# Altium PCB Lay-51943_B.brd.PcbDoc (part 5 of 8)
Units mil, origin at the board's own origin, x right, y up, seen from the top; angles counter-clockwise.
Board outline 2903.05 x 2405.84 mil, 6 copper layers (TOP, L2_GND_1, L3_INT_1, L4_PWR, L5_GND_2, BOTTOM), stack 60.244 mil thick; 568 components, 400 nets, 2143 pads, 1138 vias.
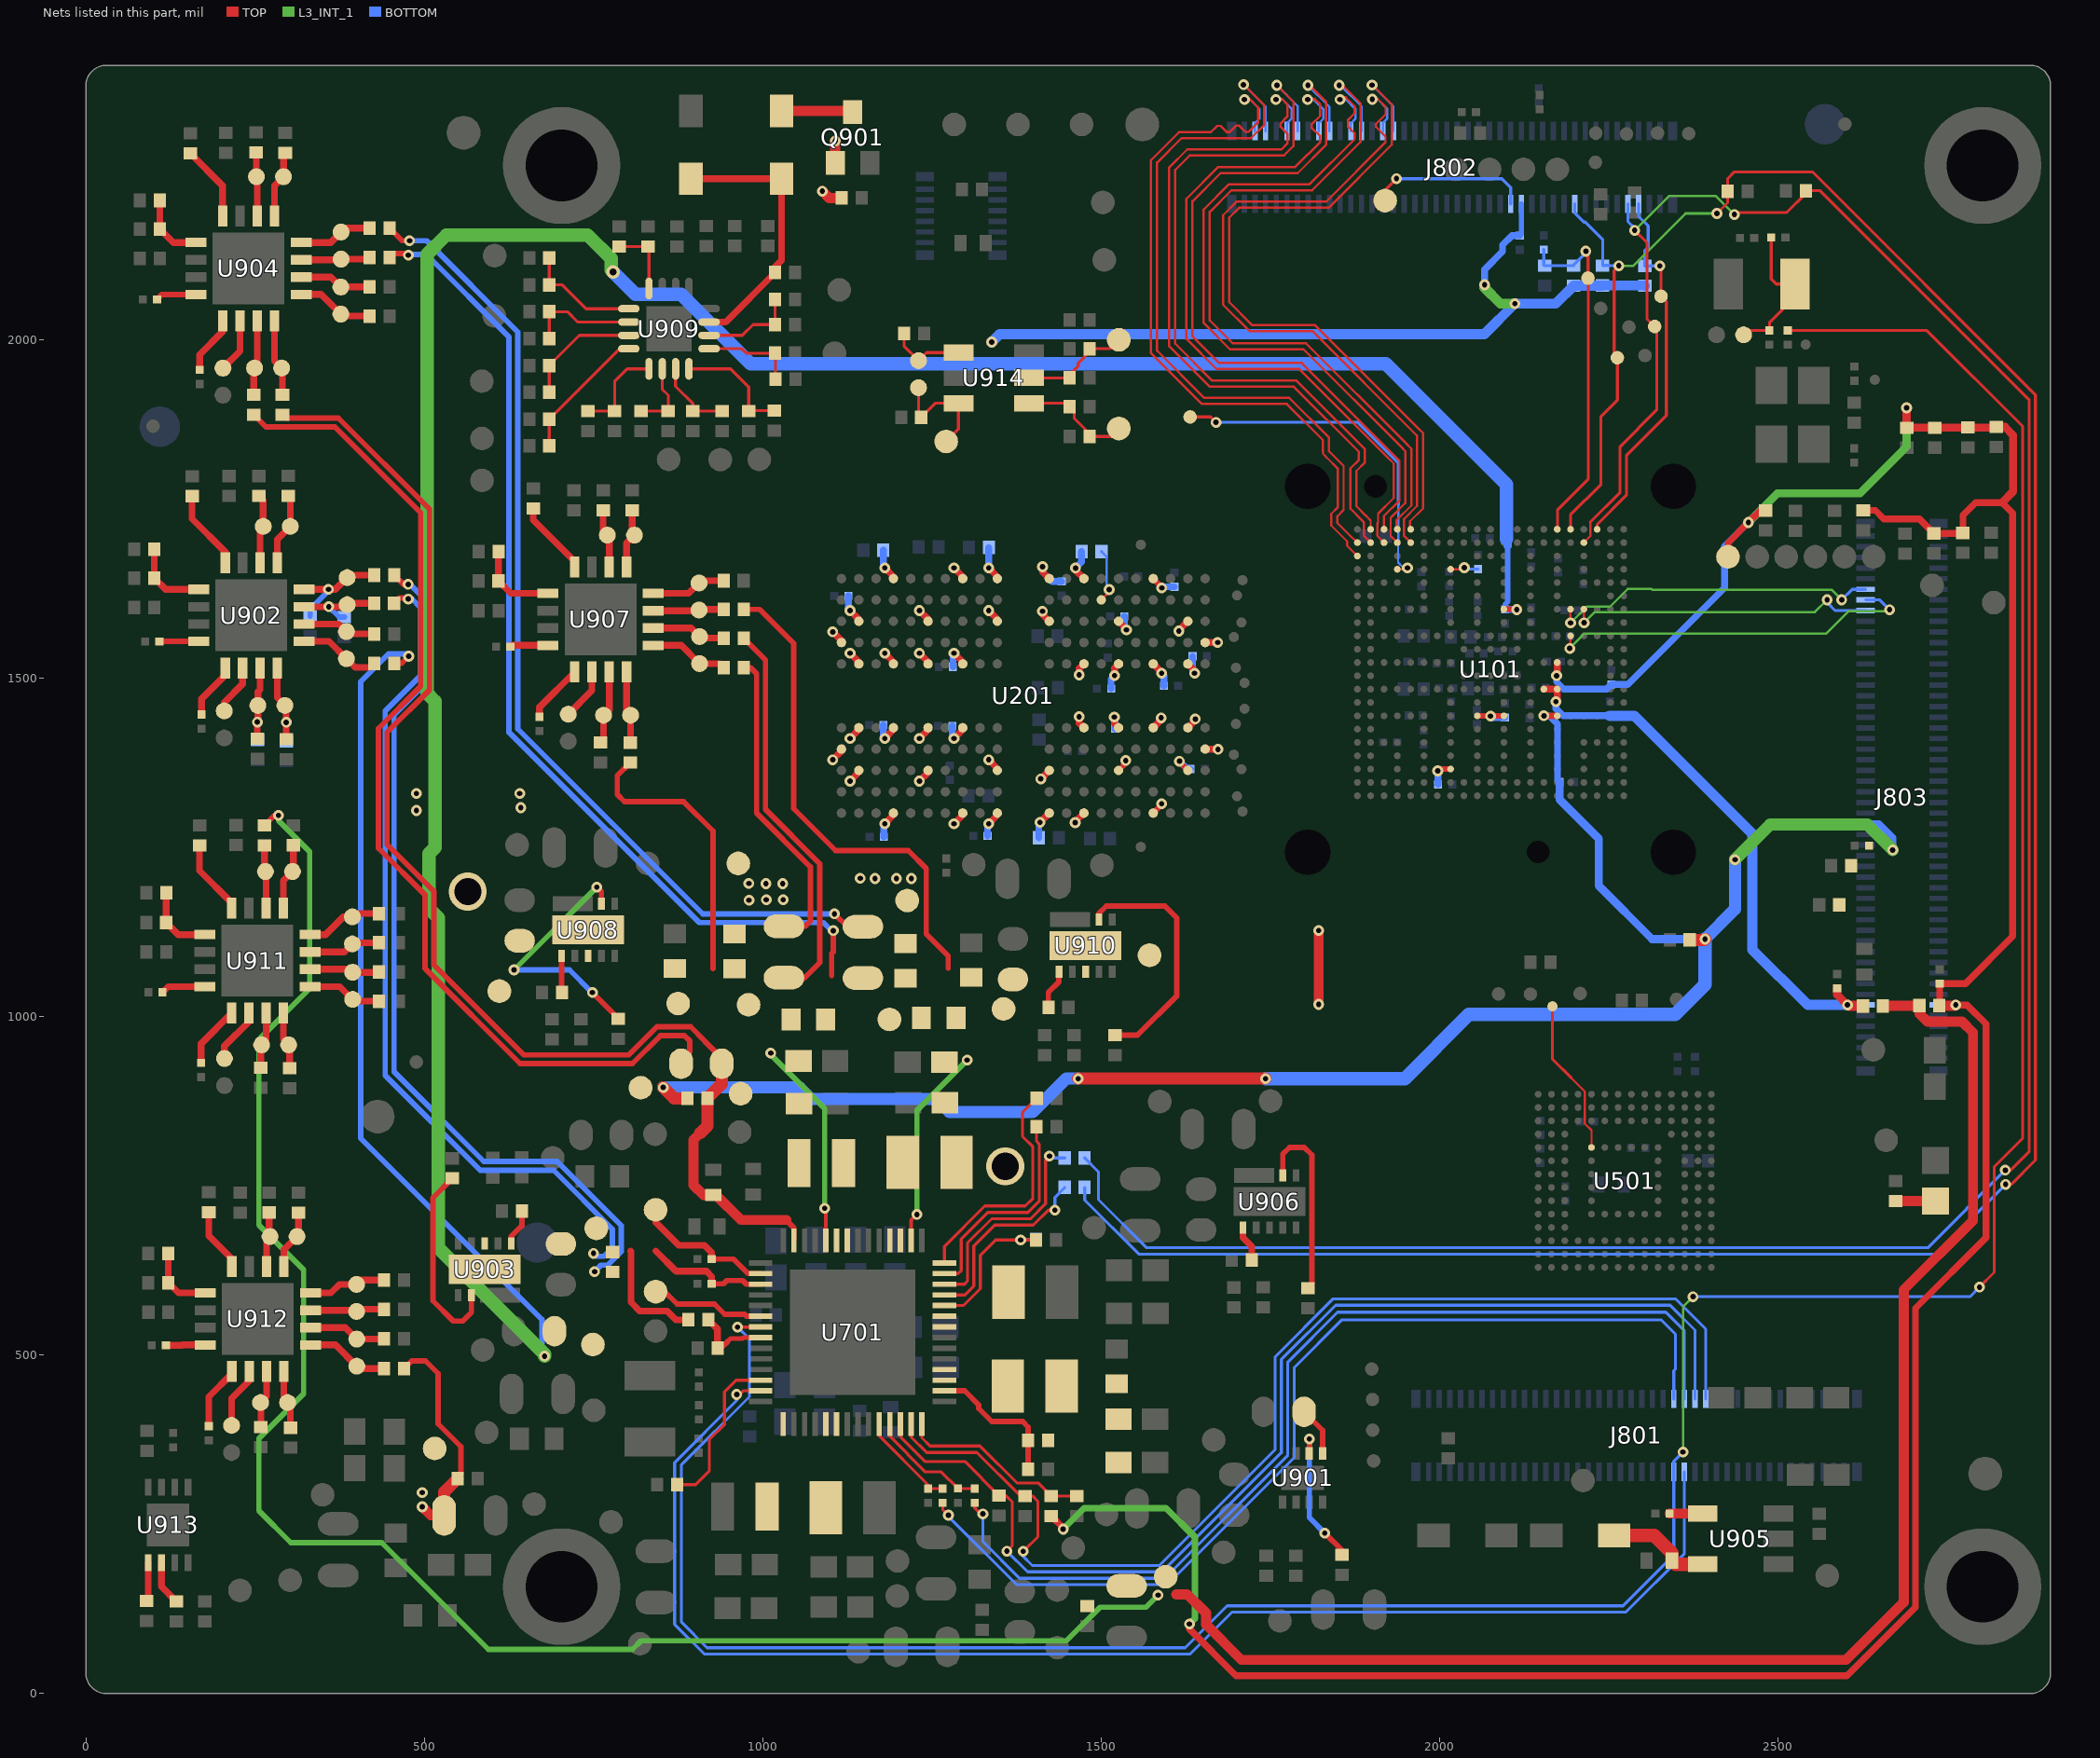
[diagram p9: the nets of this part, all layers, seen from the top]

## Via types
v1: diameter 16, hole 8, TOP to BOTTOM, tented both sides, 1003 vias
v2: diameter 20, hole 10, TOP to BOTTOM, tented both sides, 66 vias
v3: diameter 16, hole 8, TOP to BOTTOM, tented bottom, 63 vias
v4: diameter 56, hole 40, TOP to BOTTOM, 6 vias

## Nets (pads, with @x,y where several pads share a name; then routed paths per layer and width w, separated by ;. In a path a pad name is that pad's centre, name@x,y a point inside that pad or via, vN(x,y) a via of type N, cw(c..) or ccw(c..) an arc to the next point about the centre after c; other vN are vias at no path point) (continued)
LPD4/X_VDD2: C206.1 C207.1 C208.1 C210.1 C211.1 C212.1 C213.1 C214.1 R203.2 R210.1 R1017.2 R1026.1 TP951.1 U201.A4 U201.A9 U201.AB4 U201.AB9 U201.F5 U201.F8 U201.H1 U201.H5 U201.H8 U201.H12 U201.K1 U201.K3 U201.K10 U201.K12 U201.N1 U201.N3 U201.N10 U201.N12 U201.R1 U201.R5 U201.R8 U201.R12 U201.U5 U201.U8 | length 1170.8
  TOP w8: R1026.1@972.27,1515.8 982.37,1515.8 991.16,1507.01 991.16,1301.01 1070.85,1221.32 1070.85,1141.7 1062.85,1133.7 R1017.2@1031.51,1133.7
  TOP w10: v1(1103.63,1379.78) 1116.53,1392.68 U201.AB9@1116.53,1395.54 ; v1(1103.63,1568.78) 1116.53,1555.88 U201.AB4@1116.53,1553.02 ; v1(1231.63,1411.28) 1244.48,1424.13 U201.U8@1244.48,1427.04 ; v1(1231.63,1537.28) 1244.48,1524.43 U201.U5@1244.48,1521.52 ; v1(1282.83,1285.28) 1295.66,1298.11 U201.R12@1295.66,1301.05 ; v1(1282.83,1411.28) 1295.66,1424.11 U201.R8@1295.66,1427.04 ; v1(1282.83,1537.28) 1295.66,1524.45 U201.R5@1295.66,1521.52 ; v1(1282.83,1663.28) 1295.66,1650.45 U201.R1@1295.66,1647.51 ; v1(1334.03,1285.28) 1346.84,1298.09 U201.N12@1346.84,1301.05 ; v1(1334.03,1379.78) 1346.84,1366.97 U201.N10@1346.84,1364.04 ; v1(1334.03,1600.28) 1346.84,1587.47 U201.N3@1346.84,1584.52 ; v1(1334.03,1663.28) 1346.84,1650.47 U201.N1@1346.84,1647.51 ; v1(1409.96,1287.39) U201.K12@1423.62,1301.05 ; v1(1411.09,1351.51) U201.K10@1423.62,1364.04 ; v1(1413.44,1599.38) 1413.44,1594.7 U201.K3@1423.62,1584.52 ; v1(1413.66,1665.06) 1413.66,1657.47 U201.K1@1423.62,1647.51 ; v1(1461.93,1286.93) 1461.93,1288.18 U201.H12@1474.8,1301.05 ; v1(1462.35,1663.11) 1462.35,1659.96 U201.H1@1474.8,1647.51 ; v1(1467.77,1443.38) 1467.77,1434.07 U201.H8@1474.8,1427.04 ; v1(1467.77,1505.18) 1467.77,1514.49 U201.H5@1474.8,1521.52 ; v1(1519.63,1442.82) 1520.02,1442.43 1520.02,1433 U201.F8@1525.98,1427.04 ; v1(1520.02,1504.18) 1520.02,1515.56 U201.F5@1525.98,1521.52 ; U201.A9@1653.93,1395.54 1672.56,1395.54 v1(1672.93,1395.17) ; U201.A4@1653.93,1553.02 v1(1672.49,1553.02)
  BOTTOM w10: C213.1@1280.39,1429.76 1280.39,1413.72 v1(1282.83,1411.28) ; C210.1@1281.27,1516.94 1281.27,1535.72 v1(1282.83,1537.28) ; C212.1@1332.27,1267.24 1332.27,1283.52 v1(1334.03,1285.28) ; v1(1334.03,1663.28) 1334.26,1663.51 C207.1@1334.26,1693.39 ; C206.1@1408.29,1264.33 1408.29,1285.72 v1(1409.96,1287.39) ; v1(1413.66,1665.06) 1413.66,1657.47 1427.92,1643.21 C211.1@1442.01,1643.21 ; v1(1462.35,1663.11) 1471.24,1672 R210.1@1471.24,1687.46 ; C214.1@1515.03,1484.94 1515.03,1499.19 v1(1520.02,1504.18) ; v1(1519.63,1442.82) 1520.9,1441.55 C208.1@1520.9,1425.87
  other v1: 979.96,1172.22 1005.46,1172.87 1030.46,1172.87 1004.81,1196.75 1029.81,1196.75 979.64,1197.07
LPD4/X_VDD2_1V1: C722.1 C723.1 L706.2 R109.2 R203.1 R702.1 R942.1 R949.1 R1017.1 R1022.1 TP708.1 TP928.1 TP950.1 U701.52 U908.3 U908.11 | length 1320.8
  TOP w5: v1(1091.82,717.12) 1091.82,715.83 1093.49,714.16 U701.52@1093.49,669.78
  TOP w8: R949.1@804.36,1375.5 785.34,1356.48 785.34,1328.47 795.86,1317.95 883.19,1317.95 926.73,1274.41 926.73,1071.16 ; R1022.1@971.99,1559.6 1004.16,1527.43 1004.16,1306.4 1084.52,1226.04 1084.52,1080.1 1062.12,1057.7 R1017.1@1031.51,1057.7
  L3_INT_1 w8: v1(1011.95,946.44) 1011.95,944.38 1091.82,864.51 v1(1091.82,717.12)
  other v4: 564.21,1185.09
LPD4/X_VDDQ: C215.1 C216.1 C217.1 C218.1 C219.1 C220.1 C221.1 C222.1 R206.2 R209.1 R923.1 R1007.2 TP949.1 U201.AA3 U201.AA5 U201.AA8 U201.AA10 U201.B3 U201.B5 U201.B8 U201.B10 U201.D1 U201.D5 U201.D8 U201.D12 U201.F3 U201.F10 U201.U3 U201.U10 U201.W1 U201.W5 U201.W8 U201.W12 | length 2067.7
  TOP w8: R923.1@448.76,2165.2 467.27,2146.69 v1(478.33,2146.69) ; v1(1106.21,1152.11) 1125.02,1133.3 R1007.2@1148.36,1133.3 ; U201.F10@1525.98,1364.04 1536.58,1374.64 v1(1536.58,1378.72) ; U201.D12@1577.16,1301.05 1589.59,1313.48 v1(1589.59,1314.77) ; U201.D1@1577.16,1647.51 1588.95,1635.72 1588.95,1634.45 v1(1589.8,1633.6) ; v1(1616,1377.67) 1616,1376.38 U201.B10@1628.34,1364.04
  TOP w10: v1(1129.23,1348.28) 1142.12,1361.17 U201.AA10@1142.12,1364.04 ; v1(1129.23,1411.28) 1142.12,1424.17 U201.AA8@1142.12,1427.04 ; v1(1129.23,1537.28) 1142.12,1524.39 U201.AA5@1142.12,1521.52 ; v1(1129.23,1600.28) 1142.12,1587.39 U201.AA3@1142.12,1584.52 ; v1(1180.43,1285.28) 1193.3,1298.15 U201.W12@1193.3,1301.05 ; v1(1180.43,1411.28) 1193.3,1424.15 U201.W8@1193.3,1427.04 ; v1(1180.43,1537.28) 1193.3,1524.41 U201.W5@1193.3,1521.52 ; v1(1180.43,1663.28) 1193.3,1650.41 U201.W1@1193.3,1647.51 ; v1(1231.63,1348.28) 1244.48,1361.13 U201.U10@1244.48,1364.04 ; v1(1231.63,1600.28) 1244.48,1587.43 U201.U3@1244.48,1584.52 ; U201.F3@1525.98,1584.52 1537.62,1572.88 v1(1537.62,1571.62) ; U201.D8@1577.16,1427.04 1588.94,1438.82 v1(1588.94,1441.7) ; U201.D5@1577.16,1521.52 1589.66,1509.02 v1(1589.66,1507.74) ; v1(1615.07,1570.05) 1615.07,1571.25 U201.B3@1628.34,1584.52 ; U201.B8@1628.34,1427.04 1639.44,1438.14 v1(1639.44,1439.92) ; U201.B5@1628.34,1521.52 1638.31,1511.55 v1(1638.31,1507.75)
  BOTTOM w8: v1(478.33,2146.69) 503.44,2146.69 638.31,2011.82 638.31,1425.51 911.71,1152.11 v1(1106.21,1152.11)
  BOTTOM w10: C219.1@1126.83,1621.92 1126.83,1602.68 v1(1129.23,1600.28) ; C215.1@1178.33,1689.42 1178.33,1665.38 v1(1180.43,1663.28) ; C220.1@1178.6,1431.2 1178.6,1413.11 v1(1180.43,1411.28) ; C222.1@1179.22,1265.81 1179.22,1284.07 v1(1180.43,1285.28) ; C221.1@1534.49,1591.72 1534.49,1574.75 v1(1537.62,1571.62) ; v1(1589.66,1507.74) 1593.11,1504.29 C217.1@1593.11,1488.87 ; v1(1589.8,1633.6) 1591.74,1635.54 C216.1@1608.49,1635.54 ; v1(1616,1377.67) 1627.55,1366.12 C218.1@1632.44,1366.12 ; R209.1@1635.4,1532.71 1635.4,1510.66 v1(1638.31,1507.75)
  other v1: 1144.24,1204.7 1166.15,1204.37 1197.7,1204.37 1219.79,1204.37
LPD4/X_VDDQ_0V6: R110.2 R206.1 R702.2 R704.2 R921.1 R941.1 R973.1 R1007.1 TP702.1 TP931.1 TP948.1 U910.3 U910.11 | length 2214.7
  TOP w8: R921.1@448.76,2122.2 454.29,2127.73 474.1,2127.73 v1(476.47,2125.36) ; R941.1@972,1602.07 995.78,1602.07 1046,1551.85 1046,1307.45 1107.94,1245.51 1215.27,1245.51 1241.81,1218.97 1241.81,1122.5 1274.26,1090.05 1274.26,1071.69 ; 1102,1061.27 1102,1093.34 1104.37,1095.71 v1(1104.37,1127.28)
  BOTTOM w8: v1(476.47,2125.36) 477.4,2126.29 503.32,2126.29 625.31,2004.3 625.31,1420.12 906.32,1139.11 1089.91,1139.11 1101.74,1127.28 v1(1104.37,1127.28)
LPD4X_VDDQ_0V6: C703.1 C705.1 L701.2 R704.1 U701.44 | length 300.6
  TOP w5: U701.44@1219.47,669.78 1219.47,699.41 v1(1228.04,707.98)
  L3_INT_1 w8: v1(1228.04,707.98) 1228.04,861.79 v1(1302.28,936.03)
  other v4: 1358.53,779.03
LVDS_CLK_N: J802.18 U101.A3 | length 1105.8
  TOP w3.2: 1918.24,1731.24 1918.24,1739.91 1941.28,1762.95 1941.28,1821.34 1930.75,1831.87
  TOP w3.4: v3(1805.77,2376.39) 1808.25,2376.39 1832.89,2351.75 1832.89,2288.88 1790.65,2246.64 1676.84,2246.64 1635.26,2205.06 1635.26,2005.38 1674.6,1966.04 1796.58,1966.04 1930.75,1831.87 ; U101.A3@1918.24,1720.33 1918.24,1731.24
  BOTTOM w3.4: v3(1805.77,2376.39) 1837.74,2344.42 J802.18@1837.74,2308.9
LVDS_CLK_P: J802.16 U101.B3 | length 1105.6
  TOP w3.2: U101.B3@1918.24,1700.65 1908.49,1710.4 1908.49,1729.63 1909.44,1730.58 1909.44,1743.56 1932.48,1766.6 1932.48,1817.69 1927.21,1822.95 1927.06,1822.96 1925.02,1825 1924.89,1825 1924.38,1825.51
  TOP w3.4: v3(1805.42,2355.39) 1810.75,2355.39 1811.22,2355.86 1816.04,2355.86 1823.89,2348.01 1823.89,2331.25 1811.27,2318.63 1811.27,2313.82 1823.89,2301.2 1823.89,2292.61 1786.92,2255.64 1673.11,2255.64 1626.26,2208.79 1626.26,2001.65 1670.87,1957.04 1792.85,1957.04 1924.38,1825.51
  BOTTOM w3.4: v3(1805.42,2355.39) 1806.56,2356.53 1812.9,2356.53 1828.74,2340.69 1828.74,2327.11 1821.99,2320.36 J802.16@1821.99,2308.9
LVDS_TX0_N: J802.30 U101.A5 | length 1108.1
  TOP w3.2: U101.A5@1957.61,1720.33 1956.66,1721.28 1956.66,1732.04 1975.84,1751.22 1975.84,1862.5 1969.59,1868.75
  TOP w3.4: v3(1900.56,2376.78) 1900.94,2376.4 1901.59,2376.4 1929.49,2348.5 1929.49,2288.57 1836.41,2195.49 1704.08,2195.49 1689.45,2180.86 1689.45,2055.99 1723.13,2022.31 1816.03,2022.31 1969.59,1868.75
  BOTTOM w3.4: v3(1900.56,2376.78) 1932.23,2345.11 J802.30@1932.23,2308.9
LVDS_TX0_P: J802.28 U101.B5 | length 1105.5
  TOP w3.2: U101.B5@1957.61,1700.65 1947.86,1710.4 1947.86,1735.69 1966.94,1754.77 1966.94,1858.67
  TOP w3.4: v3(1900.77,2355.78) 1901.15,2355.4 1909.86,2355.4 1920.49,2344.77 1920.49,2333.37 1906.67,2319.55 1906.67,2314.73 1920.49,2300.91 1920.49,2292.3 1832.68,2204.49 1700.35,2204.49 1680.45,2184.59 1680.45,2052.26 1719.4,2013.31 1812.3,2013.31 1966.94,1858.67
  BOTTOM w3.4: v3(1900.77,2355.78) 1901.15,2355.4 1909.21,2355.4 1923.23,2341.38 1923.23,2327.28 1916.48,2320.53 J802.28@1916.48,2308.9
LVDS_TX1_N: J802.24 U101.A4 | length 1112.6
  TOP w3.2: U101.A4@1937.92,1720.33 1936.81,1721.44 1936.81,1733.7 1958.64,1755.53 1958.64,1839.31 1955.36,1842.59 1955.35,1842.75 1953.31,1844.8 1953.31,1844.92 1952.8,1845.43
  TOP w3.4: v3(1852.02,2376.37) 1856.74,2376.37 1883.66,2349.45 1883.66,2292.96 1811.87,2221.17 1692.8,2221.17 1660.76,2189.13 1660.76,2028.98 1694.44,1995.3 1802.93,1995.3 1952.8,1845.43
  BOTTOM w3.4: v3(1852.02,2376.37) 1853.79,2376.37 1884.98,2345.18 J802.24@1884.98,2308.9
LVDS_TX1_P: J802.22 U101.B4 | length 1107.4
  TOP w3.2: U101.B4@1937.92,1700.65 1928.01,1710.56 1928.01,1737.35 1949.84,1759.18 1949.84,1835.66 1946.44,1839.06
  TOP w3.4: v3(1853.18,2355.4) 1856.67,2358.89 1861.49,2358.89 1874.66,2345.72 1874.66,2334.99 1865.26,2325.59 1865.26,2315.02 1874.66,2305.62 1874.66,2296.69 1808.14,2230.17 1689.07,2230.17 1651.76,2192.86 1651.76,2025.25 1690.71,1986.3 1799.2,1986.3 1946.44,1839.06
  BOTTOM w3.4: v3(1853.18,2355.4) 1862.03,2355.4 1875.98,2341.45 1875.98,2326.86 1869.23,2320.11 J802.22@1869.23,2308.9
LVDS_TX2_N: J802.12 U101.A2 | length 1103.2
  TOP w3.2: 1891.78,1740.26 1892.29,1739.75 1892.29,1739.62 1898.55,1733.36 U101.A2@1898.55,1720.33
  TOP w3.4: v3(1759.91,2376.36) 1784.44,2351.83 1784.44,2286.82 1770.41,2272.79 1631.14,2272.79 1609.75,2251.4 1609.75,1994.58 1664.43,1939.9 1788.71,1939.9 1890.14,1838.47 1890.14,1819.18 1877.47,1806.51 1877.47,1754.57 1891.78,1740.26
  BOTTOM w3.4: v3(1759.91,2376.36) 1790.49,2345.78 J802.12@1790.49,2308.9
LVDS_TX2_P: J802.10 U101.B2 | length 1100.6
  TOP w3.2: 1885.42,1733.89 1888.68,1730.63 1888.68,1710.52 U101.B2@1898.55,1700.65
  TOP w3.4: v3(1758.59,2355.4) 1768.14,2355.4 1775.44,2348.1 1775.44,2330.05 1765.34,2319.95 1765.34,2315.1 1775.44,2305 1775.44,2290.55 1766.68,2281.79 1627.41,2281.79 1600.75,2255.13 1600.75,1990.85 1660.7,1930.9 1784.98,1930.9 1881.14,1834.74 1881.14,1822.91 1868.47,1810.24 1868.47,1750.84 1885.42,1733.89
  BOTTOM w3.4: v3(1758.59,2355.4) 1768.13,2355.4 1781.49,2342.04 1781.49,2326.86 1774.75,2320.12 J802.10@1774.75,2308.9
LVDS_TX3_N: J802.6 U101.B1 | length 1101.3
  TOP w3.2: 1837.03,1835.57 1858.57,1814.03 1858.57,1748.91 1849.22,1739.56 1849.22,1729.74 1872.63,1706.33 1873.19,1706.33 U101.B1@1878.87,1700.65
  TOP w3.4: v3(1710.58,2377.3) 1712.88,2375 1713.25,2375 1740.85,2347.4 1740.85,2317.36 1721.74,2298.25 1619.01,2298.25 1582.98,2262.22 1582.98,1984.2 1652.78,1914.4 1778.32,1914.4 1837.03,1855.69 1837.03,1835.57
  BOTTOM w3.4: v3(1710.58,2377.3) 1710.94,2377.3 1743.25,2344.99 J802.6@1743.25,2308.9
LVDS_TX3_P: J802.4 U101.C1 | length 1099.1
  TOP w3.2: 1828.03,1835.57 1828.03,1834.87 1828.13,1834.77 1828.13,1831.88 1831.31,1828.7 ; 1831.3,1828.7 1833.34,1826.66 1833.5,1826.65 1849.77,1810.38 1849.77,1752.56 1840.42,1743.21 1840.42,1726.09 1863.83,1702.68 1863.83,1696 U101.C1@1878.87,1680.96
  TOP w3.4: v3(1712.05,2355.4) 1719.62,2355.4 1719.87,2355.65 1731.85,2343.67 1731.85,2321.09 1718.3,2307.54 1713.49,2307.54 1704.33,2316.7 1699.51,2316.7 1690.29,2307.48 1685.47,2307.48 1676.46,2316.49 1671.64,2316.49 1662.4,2307.25 1615.28,2307.25 1573.98,2265.95 1573.98,1980.47 1649.05,1905.4 1774.59,1905.4 1828.03,1851.96 1828.03,1835.57
  BOTTOM w3.4: v3(1712.05,2355.4) 1720.11,2355.4 1734.25,2341.26 1734.25,2327.21 1727.5,2320.46 J802.4@1727.5,2308.9
M1_SCL: R906.1 U902.4 | length 58.3
  TOP w8: R906.1@108.56,1554.36 108.97,1554.77 U902.4@166.67,1554.77
M1_SDA: R910.1 U902.5 | length 83.2
  TOP w10: R910.1@170.83,1446.81 170.83,1469.86 206.04,1505.07 U902.5@206.04,1515.4
M2_SCL: R926.1 U904.4 | length 60.7
  TOP w8: R926.1@105.1,2060.01 112.47,2067.38 U904.4@162.71,2067.38
M2_SDA: R928.1 U904.5 | length 86.1
  TOP w10: R928.1@168.04,1956.03 168.04,1978.45 202.07,2012.48 U904.5@202.08,2028.01
M3_SCL: R946.1 U907.4 | length 56.5
  TOP w10: R946.1@627.11,1546.87 629.08,1548.84 U907.4@682.81,1548.84
M3_SDA: R948.1 U907.5 | length 87.7
  TOP w10: R948.1@670.2,1443.28 670.2,1457.49 U907.5@722.18,1509.47
M4_SCL: R988.1 U911.4 | length 66
  TOP w10: R988.1@113.26,1036.34 121.59,1044.67 U911.4@175.79,1044.67
M4_SDA: R990.1 U911.5 | length 91.9
  TOP w10: R990.1@170.1,932.08 170.1,960.25 U911.5@215.16,1005.3
M5_SCL: R1019.1 U912.4 | length 58.4
  TOP w10: R1019.1@118.27,514.48 142.5,514.48 143.17,515.15 U912.4@176.45,515.15
M5_SDA: R1021.1 U912.5 | length 94.9
  TOP w10: R1021.1@181.64,395.06 181.64,438.37 215.81,472.54 U912.5@215.82,475.78
MX_POR_B: C405.1 R404.2 R406.2 TP408.1 U101.A16 | length 527.6
  TOP w4.4: U101.A16@2174.15,1720.33 2174.8,1720.98 2174.8,1749.19 2219.98,1794.37 2219.98,2091.02 TP408.1@2219.62,2091.38 2219.62,2128.13 v3(2216.52,2131.23)
  BOTTOM w4.4: R406.2@2154.44,2133.58 2154.44,2110.65 C405.1@2155.37,2109.72 2198.43,2109.72 R404.2@2198.54,2109.83 2198.54,2111.02 2216.52,2129 v3(2216.52,2131.23)
NetC401_1: C401.1 QZ401.2 R412.2 R413.1 | length 224.5
  TOP w4.4: R413.1@2449.64,2007.75 2456.07,2014.18 R412.2@2487.8,2014.18 2487.8,2025.7 2525.54,2063.44 QZ401.2@2525.54,2082.69 2497.83,2082.69 2490.43,2090.09 C401.1@2490.43,2151.47
NetC710_1: C710.1 C711.1 L703.2 R709.2 R716.1
NetC728_1: C728.1 TP710.1 U701.2 | length 210.5
  TOP w8: C728.1@924.61,642.04 957.06,642.04 978.54,620.56 U701.2@997.03,620.56
  TOP w10: TP710.1@841.99,714.86 841.99,696.47 876.25,662.21 914.13,662.21 924.61,651.73 C728.1@924.61,642.04
NetC902_1: C902.1 R902.2 R1044.2 U902.11 | length 135.2
  TOP w10: U902.11@322.19,1605.96 v1(358.98,1605.96) 383.11,1605.96 C902.1@386.05,1608.9 388.13,1610.98 R902.2@425.85,1610.98
  BOTTOM w8: v1(358.98,1605.96) 374.42,1590.52 R1044.2@382,1590.52
NetC902_2: C902.2 R903.2 R1045.2 U902.12 | length 163.3
  TOP w10: U902.12@322.19,1631.55 v1(358.49,1631.55) 368.7,1631.55 C902.2@386.05,1648.9 389.77,1652.62 R903.2@426.21,1652.62
  BOTTOM w8: R1045.2@331.33,1592.21 331.33,1602.38 358.49,1629.54 v1(358.49,1631.55)
NetC905_1: C905.1 R905.2 U912.13 | length 88.4
  TOP w10: U912.13@292.6,631.3 292.59,655.81 C905.1@312.09,675.31 314.31,677.53 R905.2@314.31,710.68
NetC905_2: C905.2 R909.2 U912.14 | length 82.3
  TOP w10: U912.14@267.01,631.3 267,670.22 C905.2@272.09,675.31 270.71,676.69 R909.2@270.71,710.88
NetC907_1: C907.1 R911.2 R1042.2 U902.8 | length 138.8
  TOP w10: U902.8@282.82,1515.4 282.82,1471.36 C907.1@294.15,1460.03 296.09,1458.09 v1(296.09,1435.15) R911.2@296.09,1410.17
  BOTTOM w8: R1042.2@296.1,1407.13 v1(296.09,1435.15)
NetC907_2: C907.2 R916.2 R1043.2 U902.7 | length 133.4
  TOP w10: R916.2@253.35,1410.63 v1(253.35,1435.54) 254.15,1436.34 C907.2@254.15,1460.03 254.15,1480.08 257.23,1483.16 U902.7@257.23,1515.4
  BOTTOM w8: v1(253.35,1435.54) 253.62,1435.27 R1043.2@253.62,1408.6
NetC908_1: C908.1 R917.2 U902.10 | length 110.1
  TOP w10: U902.10@322.19,1580.36 373.81,1580.36 C908.1@385.04,1569.13 388.45,1565.72 R917.2@426.21,1565.72
NetC908_2: C908.2 R918.2 U902.9 | length 122.6
  TOP w10: U902.9@322.19,1554.77 359.4,1554.77 C908.2@385.04,1529.13 398,1516.17 420.06,1516.17 R918.2@426.21,1522.32
NetC910_1: C910.1 R921.2 U904.11 | length 102.5
  TOP w10: U904.11@318.23,2118.57 376.08,2118.57 C910.1@377.03,2119.52 416.56,2119.52 R921.2@419.24,2122.2
NetC910_2: C910.2 R923.2 U904.12 | length 109.7
  TOP w10: U904.12@318.23,2144.16 361.67,2144.16 C910.2@377.03,2159.52 382.71,2165.2 R923.2@419.24,2165.2
NetC914_1: C914.1 D901.A U905.5 | length 154.8
  TOP w20: D901.A@2258.29,233.69 2317.45,233.69 2343.68,207.46 C914.1@2343.68,196.57 2349.01,191.24 U905.5@2389.16,191.24
NetC917_1: C917.1 R924.2 U904.13 | length 99.5
  TOP w10: U904.13@278.86,2183.53 278.85,2228.18 C917.1@292.01,2241.34 292.01,2273.96 R924.2@294.56,2276.51
NetC917_2: C917.2 R927.2 U904.14 | length 94.3
  TOP w10: R927.2@251.46,2277.09 252.01,2276.54 C917.2@252.01,2241.34 253.26,2240.09 U904.14@253.27,2183.53
NetC919_1: C919.1 U905.4 | length 49
  TOP w15: C919.1@2340.19,265.96 2340.27,266.04 U905.4@2389.16,266.04
NetC920_1: C920.1 R929.2 U904.8 | length 113.5
  TOP w10: U904.8@278.86,2028.01 278.85,1969.12 C920.1@289.29,1958.68 290.42,1957.55 R929.2@290.42,1919.27
NetC920_2: C920.2 R935.2 U904.7 | length 111
  TOP w10: R935.2@248.12,1919.09 248.12,1957.51 C920.2@249.29,1958.68 253.26,1962.65 U904.7@253.27,2028.01
NetC921_1: C921.1 R937.2 U904.10 | length 107.1
  TOP w10: U904.10@318.23,2092.97 362.08,2092.97 C921.1@376.76,2078.29 376.87,2078.4 R937.2@419.24,2078.4
NetC921_2: C921.2 R939.2 U904.9 | length 114.2
  TOP w10: U904.9@318.23,2067.38 347.67,2067.38 C921.2@376.76,2038.29 379.55,2035.5 R939.2@419.24,2035.5
NetC924_1: C924.1 R941.2 U907.11 | length 105
  TOP w10: U907.11@838.33,1600.03 905.09,1600.03 C924.1@906.08,1601.02 907.13,1602.07 R941.2@942.48,1602.07
NetC924_2: C924.2 R943.2 U907.12 | length 111.8
  TOP w10: U907.12@838.33,1625.62 890.68,1625.62 C924.2@906.08,1641.02 909.43,1644.37 R943.2@942.36,1644.37
NetC927_1: C927.1 R945.2 U907.13 | length 89.8
  TOP w10: U907.13@798.96,1664.99 798.96,1700.05 C927.1@810.6,1711.69 807.42,1714.87 R945.2@807.42,1748.62
NetC927_2: C927.2 R947.2 U907.14 | length 87.4
  TOP w10: R947.2@764.32,1748.62 764.32,1717.97 C927.2@770.6,1711.69 773.37,1708.92 U907.14@773.37,1664.99
NetC932_1: C932.1 R949.2 U907.8 | length 107.2
  TOP w10: U907.8@798.96,1509.47 798.96,1451.7 C932.1@804.99,1445.67 804.99,1405.65 R949.2@804.36,1405.02
NetC932_2: C932.2 R958.2 U907.7 | length 109.4
  TOP w10: R958.2@760.66,1405.36 764.99,1409.69 C932.2@764.99,1445.67 773.37,1454.05 U907.7@773.37,1509.47
NetC933_1: C933.1 R957.2 U912.8 | length 87.1
  TOP w10: U912.8@292.6,475.78 292.59,435.42 C933.1@298.09,429.92 302.19,425.82 R957.2@302.19,392.7
NetC933_2: C933.2 R967.2 U912.7 | length 86.3
  TOP w10: R967.2@258.69,393.46 258.69,429.32 C933.2@258.09,429.92 267,438.83 U912.7@267.01,475.78